# KiCad board ovc5.kicad_pcb (continued)
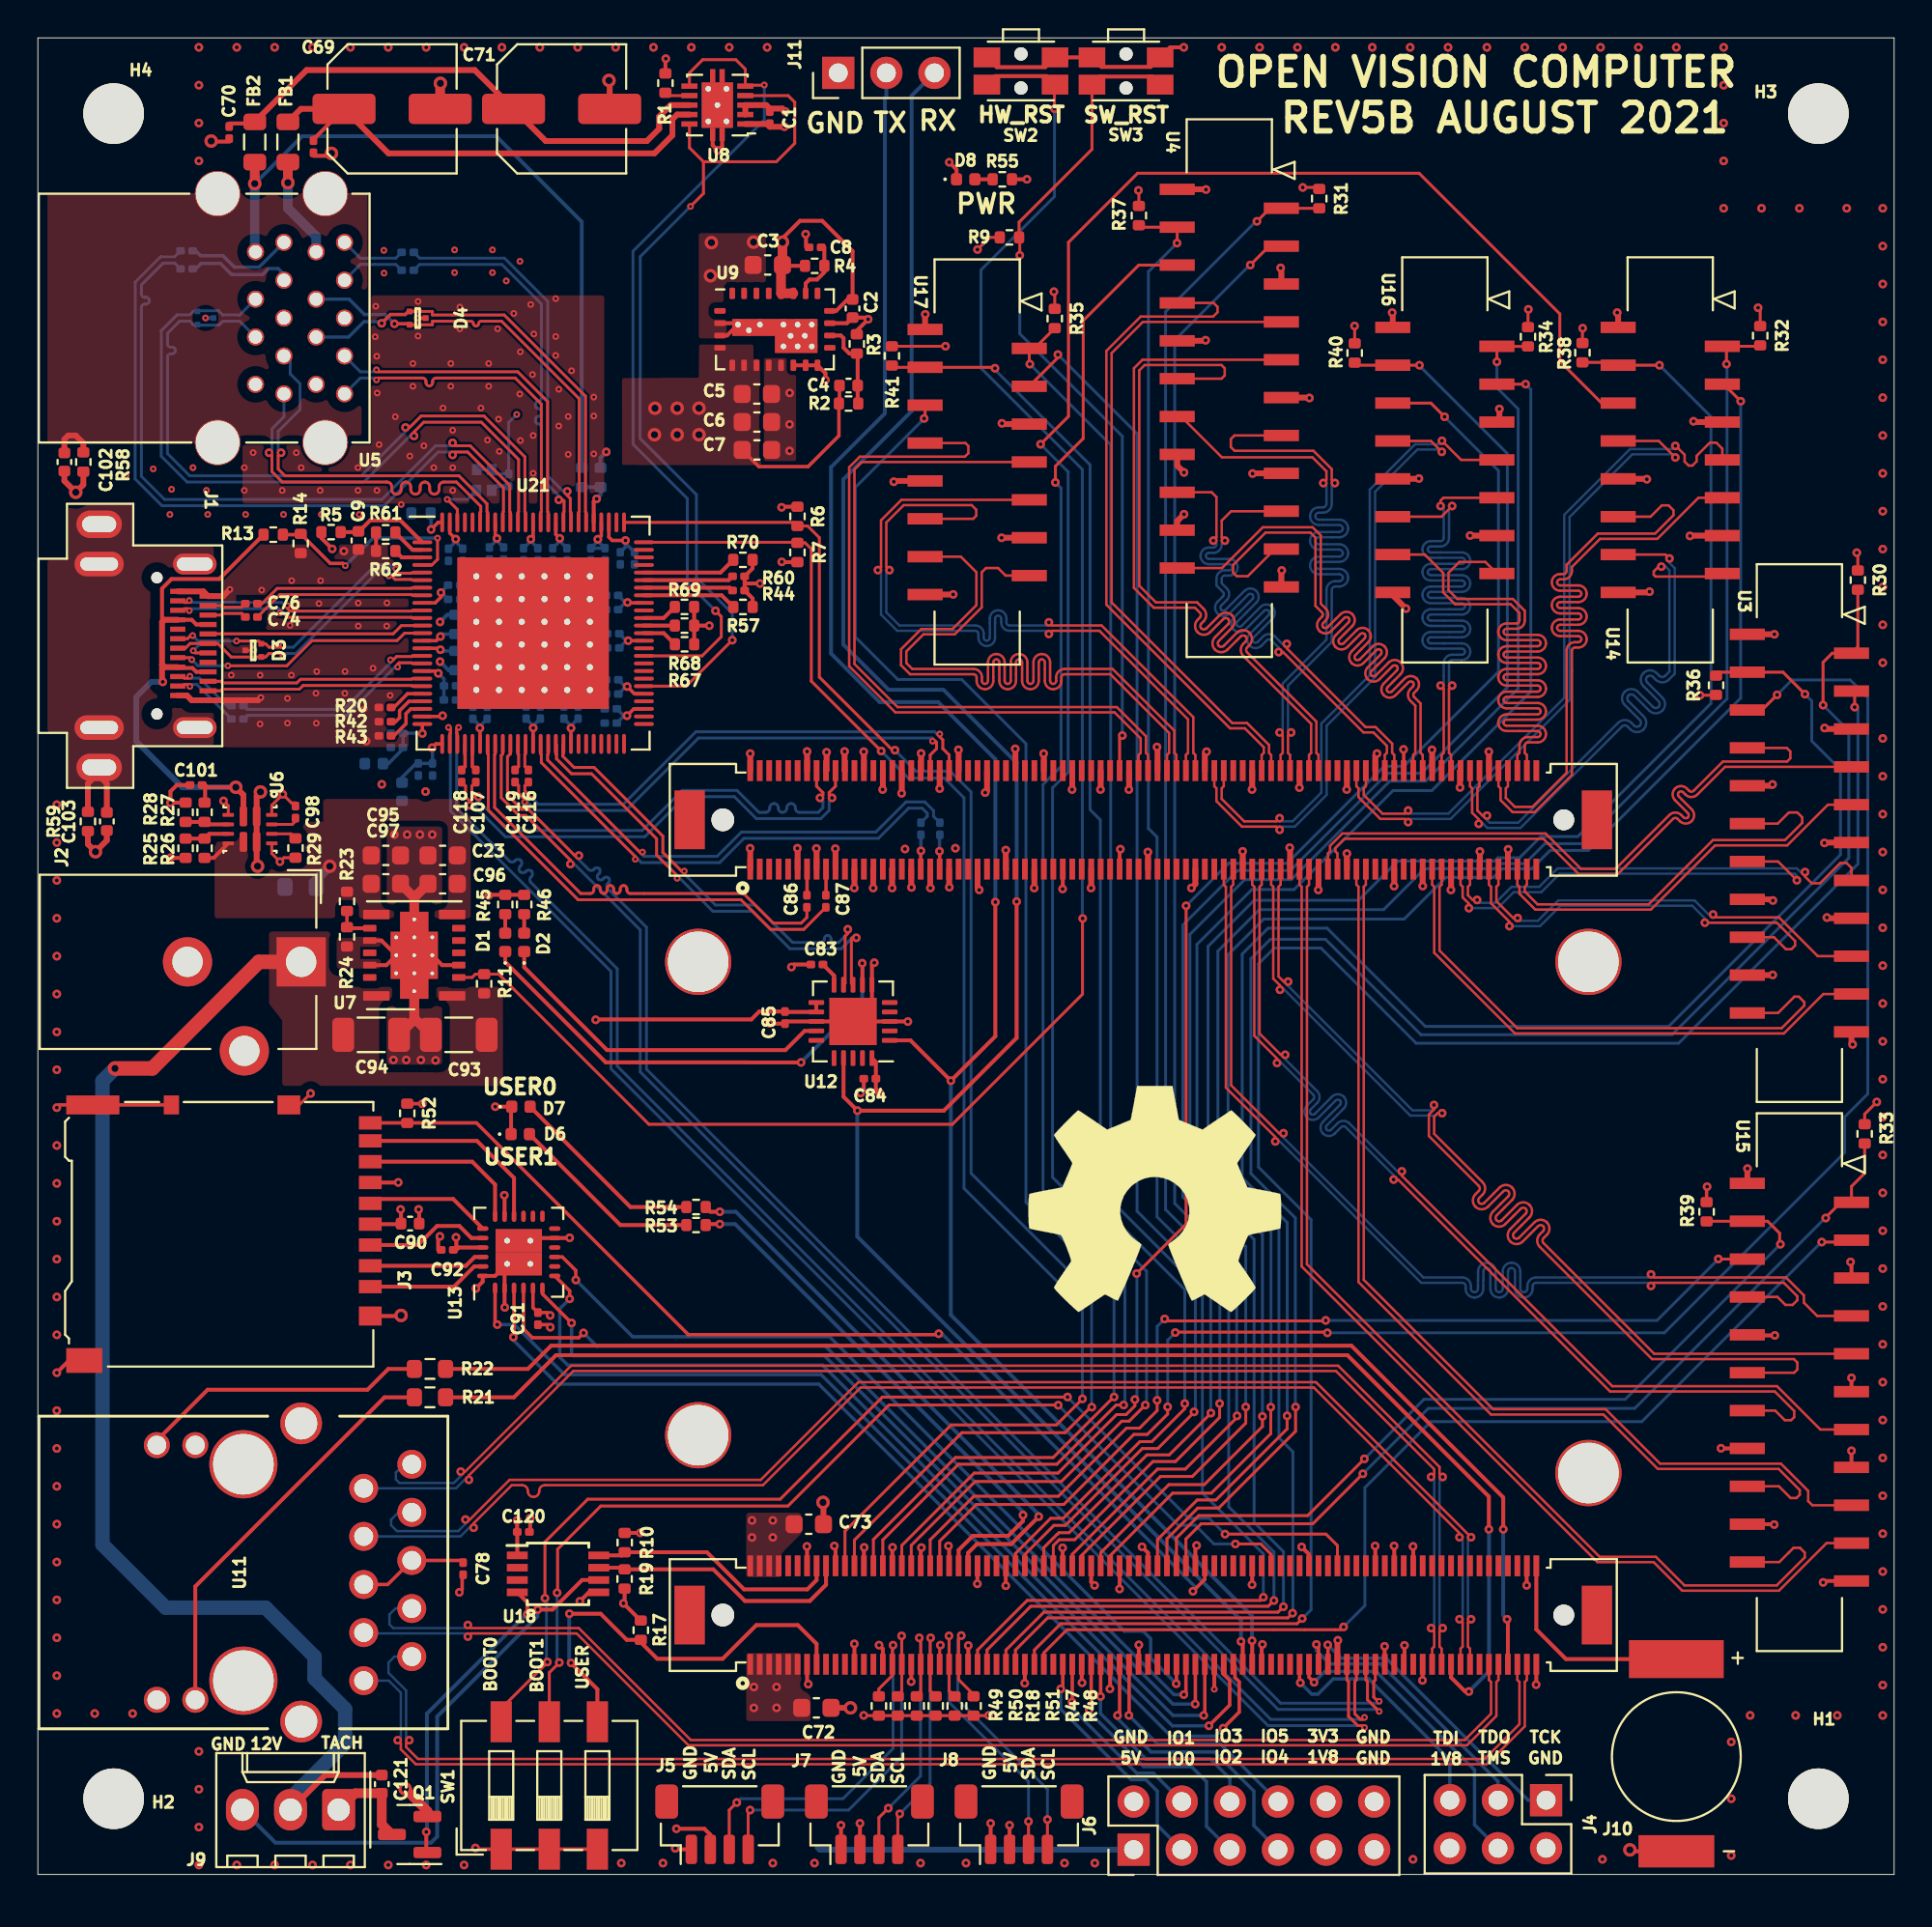
[diagram p0: board, top side]
## Placement (name value [footprint] x y rotation side) (continued)
U13  TXS02612  [TI_RTW0024B]  25.39 32.86 90 top
U14  PICAM_Reversed  [AMPHENOL_SFW15S]  86.18 74.71 270 top
U15  PICAM_Expandable_Reversed  [AMPHENOL_SFW22S]  93 26 270 top
U16  PICAM_Reversed  [AMPHENOL_SFW15S]  74.28 74.71 270 top
U17  PICAM_Reversed  [AMPHENOL_SFW15S]  49.59 74.6 270 top
U18  EMC2101-ACZL-TR  [TSSOP-8_3x3mm_P0.65mm]  27.46 15.88 0 top
U21  USB7216C  [Microchip_USB7216C]  26.15 65.56 0 top
X1  ASCO  [Oscillator_SMD_Abracon_ASCO-4Pin_1.6x1.2mm]  23.56 73.65 180 bottom

## Library data of the parts
C1 C8 C10 C18 C19 C25-C27 C32-C35 C40-C44 C49-C51 C68 C70 C74-C89 C91 C92 C98 C101 C107 C116 C118-C120 = -: D1N: Digikey; D1PN: 1292-1161-1-ND; MFN: Walsin; MPN: 0201X104K160CT
C2 C9 C90 C121 = -: D1N: Digikey; D1PN: 1276-1076-1-ND; MFN: Samsung; MPN: CL05A105KP5NNNC
C3 C5-C7 C23 C72 C73 C95-C97 = -: D1N: Digikey; D1PN: 1276-6504-1-ND; MFN: Samsung; MPN: CL10A226MPCNUBE
C4 = -: D1N: Digikey; D1PN: 587-1947-1-ND; MFN: Taiyo Yuden; MPN: UMK105CG100DV-F
C20 C21 = -: D1N: Digikey; D1PN: 587-3408-1-ND; MFN: Taiyo Yuden; MPN: LMK105BBJ475MVLF
C22 C24 C28-C31 C36-C39 C45-C48 C52-C54 = -: D1N: Digikey; D1PN: 490-16360-1-ND; MFN: Murata Electronics; MPN: GRM033R71E102JA01D
C69 C71 = -: D1N: Digikey; D1PN: PCE4401CT-ND; MFN: TDK; MPN: EEE-FKC151XAP
C93 C94 = -: D1N: Digikey; D1PN: 1276-2876-1-ND; MFN: Samsung; MPN: CL31A106KBHNNNE
C102 C103 = -: D1N: Digikey; D1PN: 1276-1532-1-ND; MFN: Samsung; MPN: CL05B222JB5NNNC
D1 D8 = -: D1N: Digikey; D1PN: 475-3445-1-ND; MFN: OSRAM; MPN: LT VH9G-Q2OO-25-1
D2 D6 = -: D1N: Digikey; D1PN: 475-3112-1-ND; MFN: OSRAM; MPN: LB QH9G-N1OO-35-1
D3-D5 = -: D1N: Digikey; D1PN: 296-25509-1-ND; MFN: TI; MPN: TPD2EUSB30DRTR
D7 = -: D1N: Digikey; D1PN: 475-3429-1-ND; MFN: OSRAM; MPN: LR VH9F-P2R1-1-Z
FB1 FB2 = -: D1N: Digikey; D1PN: MH2029-100YCT-ND; MFN: Bourns
H1-H4 = -: D1N: DNP; D1PN: DNP; MFN: DNP; MPN: DNF
J1 = -: D1N: Digikey; D1PN: 732-9618-1-ND; MFN: Wurth; MPN: 632723300011
J2 = -: D1N: Digikey; D1PN: CP-102AH-ND; MFN: CUI Devices; MPN: PJ-102AH
J3 = -: D1N: RS-Online; D1PN: 828-1884; MFN: Hirose; MPN: DM3AT-SF-PEJM5
J4 = -: D1N: Digikey; D1PN: 1849-PR20203VBDN-ND; MFN: METZ Connect; MPN: PR20203VBDN
J5 J7 J8 = -: D1N: Digikey; D1PN: 455-1790-1-ND; MFN: JST; MPN: BM04B-SRSS-TB(LF)(SN)
J6 LOGO1 U1 = -: D1N: DNP; D1PN: DNP; MFN: DNP; MPN: DNP
J9 = -: D1N: Digikey; D1PN: WM4201-ND; MFN: Molex; MPN: 0022232031
J10 = -: D1N: Digikey; D1PN: 604-1020-1-ND; MFN: Elna; MPN: DSK-3R3H224U-HL
Q1 = -: D1N: Digikey; D1PN: SSM3K2615RLFCT-ND; MFN: Toshiba Semiconductor and Storage; MPN: SSM3K2615R,LF
R1 R4 R9 R11 R25 R27 = -: D1N: Digikey; D1PN: 311-47.0KLRCT-ND; MFN: Yageo; MPN: RC0402FR-0747KL
R2 = -: D1N: Digikey; D1PN: 2019-RK73H1ETTP3483FCT-ND; MFN: KOA Speer; MPN: RK73H1ETTP3483F
R3 = -: D1N: Digikey; D1PN: YAG3129CT-ND; MFN: YAGEO; MPN: RC0402FR-07357KL
R5 R29 = -: D1N: Digikey; D1PN: 311-20.0KLRCT-ND; MFN: Yageo; MPN: RC0402FR-0720KL
R6 R7 R10 R19 = -: D1N: Digikey; D1PN: P17228CT-ND; MFN: Panasonic Electronic Components; MPN: ERJ-PA2F4701X
R8 = -: D1N: Digikey; D1PN: 541-0.0SBCT-ND; MFN: Vishay Dale; MPN: CRCW06030000Z0EAHP
R13 R15 = -: D1N: Digikey; D1PN: 311-2291-1-ND; MFN: Yageo; MPN: RT0402DRE0743KL
R14 R16 = -: D1N: Digikey; D1PN: 311-2296-1-ND; MFN: Yageo; MPN: RT0402DRE0749K9L
R17 R23 R26 R28 R52 R61-R64 R67-R69 = -: D1N: Digikey; D1PN: YAG3436CT-ND; MFN: Yageo; MPN: AC0402FR-0710KL
R18 R24 R30-R41 R47-R51 = -: D1N: Digikey; D1PN: P2.4KDECT-ND; MFN: Panasonic; MPN: ERA-2AED242X
R20 R42-R44 R60 = -: D1N: Digikey; D1PN: YAG5170CT-ND; MFN: Yageo; MPN: AC0201FR-07200KL
R21 R22 = -: D1N: Digikey; D1PN: P110JCT-ND; MFN: Panasonic; MPN: ERJ-2GEJ111X
R45 R46 R53-R55 = -: D1N: Digikey; D1PN: 541-10394-1-ND; MFN: Vishay Dale; MPN: RCS0402220RFKED
R57-R59 R70 = -: D1N: Digikey; D1PN: YAG3515CT-ND; MFN: Yageo; MPN: YAG3515CT-ND
R65 = -: D1N: Digikey; D1PN: YAG3441CT-ND; MFN: Yageo; MPN: AC0402FR-0712KL
SW1 = -: D1N: Digikey; D1PN: 563-CFS-0300TACT-ND; MFN: Nidec Copal Electronics; MPN: CFS-0300TA
SW2 SW3 = -: D1N: Digikey; D1PN: P16765CT-ND; MFN: Panasonic Electronic Components; MPN: EVQ-P7C01P
U3 U4 U15 = -: D1N: Digikey; D1PN: 609-1158-1-ND; MFN: Amphenol; MPN: SFW22S-2STE1LF
U5 = -: D1N: Digikey; D1PN: WM10420-ND; MFN: Molex; MPN: 0484060003
U6 = -: D1N: Digikey; D1PN: 296-53410-1-ND; MFN: TI; MPN: TPS2121RUXR
U7 = -: D1N: Digikey; D1PN: 296-TPSM53604RDARCT-ND; MFN: TI; MPN: TPSM53604RDAR
U8 = -: D1N: Digikey; D1PN: 296-37670-1-ND; MFN: TI; MPN: TPS2561DRCR
U9 = -: D1N: Digikey; D1PN: 544-2854-1-ND; MFN: Intel
U11 = -: D1N: Digikey; D1PN: ARJ11C-MBSAS-A-BA-7MU2-ND; MFN: Abracon
U12 = -: D1N: RS; D1PN: 7570045P; MFN: FTDI Chip; MPN: FT231XQ-R
U13 = -: D1N: Digikey; D1PN: 296-23869-1-ND; MFN: TI; MPN: TXS02612RTWR
U14 U16 U17 = -: D1N: Digikey; D1PN: 609-1148-1-ND; MFN: Amphenol; MPN: SFW15S-2STE1LF
U18 = -: D1N: Digikey; D1PN: EMC2101-ACZL-CT-ND; MFN: Microchip Technology
U21 = -: D1N: Digikey; D1PN: 150-USB7216C/KDX-ND; MFN: Microchip Technology; MPN: USB7216C/KDX
X1 = -: D1N: Digikey; D1PN: 535-12075-1-ND; MFN: Abracon LLC; MPN: ASCO-25.000MHZ-EK-T3

## Footprints (pads in the part's own frame, mm; a bottom-side part is the same pattern mirrored in y, then rotated)
Amphenol_12402056E512A
  round 0.6 hole 0.6 unplated: (-3.6,3.05) (3.6,3.05)
  rect 0.27x0.9 smd: A1(-2.625,5.75) A2(-2.125,5.75) A3(-1.625,5.75) A4(-1.125,5.75) A5(-0.625,5.75) A6(-0.125,5.75) A7(0.375,5.75) A8(0.875,5.75) A9(1.375,5.75) A10(1.875,5.75) A11(2.375,5.75) A12(2.875,5.75)
  rect 0.27x0.8 smd: B1(2.625,4.15) B2(2.125,4.15) B3(1.625,4.15) B4(1.125,4.15) B5(0.625,4.15) B6(0.125,4.15) B7(-0.375,4.15) B8(-0.875,4.15) B9(-1.375,4.15) B10(-1.875,4.15) B11(-2.375,4.15) B12(-2.875,4.15)
  oval 1.45x2.4 hole 0.85x1.8: S1(-6.42,0) S1(6.42,0)
  oval 1.1x2.3 hole 0.7x1.9: S1(-4.32,5.05) S1(4.32,5.05)
  oval 1.3x2.6 hole 0.7x2: S1(-4.32,0) S1(4.32,0)
AMPHENOL_SFW15S
  rect 0.6x1.85 smd: 1(-7,-2.75) 2(-6,2.75) 3(-5,-2.75) 4(-4,2.75) 5(-3,-2.75) 6(-2,2.75) 7(-1,-2.75) 8(0,2.75) 9(1,-2.75) 10(2,2.75) 11(3,-2.75) 12(4,2.75) 13(5,-2.75) 14(6,2.75) 15(7,-2.75)
AMPHENOL_SFW22S
  rect 0.6x1.85 smd: 1(-10.5,-2.75) 2(-9.5,2.75) 3(-8.5,-2.75) 4(-7.5,2.75) 5(-6.5,-2.75) 6(-5.5,2.75) 7(-4.5,-2.75) 8(-3.5,2.75) 9(-2.5,-2.75) 10(-1.5,2.75) 11(-0.5,-2.75) 12(0.5,2.75) 13(1.5,-2.75) 14(2.5,2.75) 15(3.5,-2.75) 16(4.5,2.75) 17(5.5,-2.75) 18(6.5,2.75) 19(7.5,-2.75) 20(8.5,2.75) 21(9.5,-2.75) 22(10.5,2.75)
ARJ11C-MBSAS-A-BA-7MU2
  round 1.524 hole 1: 1(5.715,6.35) 2(4.445,8.89) 3(3.175,6.35) 4(1.905,8.89) 5(0.635,6.35) 6(-0.635,8.89) 7(-1.905,6.35) 8(-3.175,8.89) 9(-4.445,6.35) 10(-5.715,8.89)
  round 1.372 hole 1: 11(6.725,-2.54) 12(6.725,-4.57) 13(-6.725,-2.54) 14(-6.725,-4.57)
  round 3.6 hole 3.2: MNT(-5.715,0) MNT(5.715,0)
  round 2.2 hole 1.7: SHLD(-7.875,3.05) SHLD(7.875,3.05)
BarrelJack_CUI_PJ-102AH_Horizontal
  rect 2.6x2.6 hole 1.6: 1(0,0)
  round 2.6 hole 1.6: 2(0,-6) 3(4.7,-3)
C_0201_0603Metric
  rrect 0.318x0.36 smd: (-0.345,0) (0.345,0)
  rrect 0.46x0.4 smd: 1(-0.32,0) 2(0.32,0)
C_0402_1005Metric
  rrect 0.56x0.62 smd: 1(-0.48,0) 2(0.48,0)
C_0603_1608Metric
  rrect 0.9x0.95 smd: 1(-0.775,0) 2(0.775,0)
C_1206_3216Metric
  rrect 1.15x1.8 smd: 1(-1.475,0) 2(1.475,0)
C_Elec_6.3x7.7
  rrect 3.325x1.6 smd: 1(-2.538,0) 2(2.538,0)
Converter_DCDC_Intel_QFN-24_4x6mm_P0.65mm_ThermalVias
  rect 1.9x0.9 smd: (-1.3,0.1)
  rect 0.9x0.57 smd: (-1.2,0.1)
  rect 0.7x0.9 smd: (0.65,-0.35) (1.65,-0.35)
  rect 2.25x1.8 smd: (1.125,-0.35)
  rrect 0.6x0.3 smd: 1(-2.9,0.975) 2(-2.9,0.325) 3(-2.9,-0.325) 4(-2.9,-0.975) 13(2.9,-0.975) 14(2.9,-0.325) 15(2.9,0.325) 16(2.9,0.975)
  rrect 0.3x0.6 smd: 5(-2.25,-1.9) 6(-1.625,-1.9) 7(-0.975,-1.9) 8(-0.325,-1.9) 9(0.325,-1.9) 10(0.975,-1.9) 11(1.625,-1.9) 12(2.25,-1.9) 17(2.25,1.9) 18(1.625,1.9) 19(0.975,1.9) 20(0.325,1.9) 21(-0.325,1.9) 22(-0.975,1.9) 23(-1.625,1.9) 24(-2.25,1.9)
  round 0.6 hole 0.3: 25(-1.95,0.25) 25(-1.37,-0.05) 25(-0.79,0.25) 25(0.45,0.25) 25(0.45,-0.9) 25(0.83,-0.34) 25(1.2,0.25) 25(1.2,-0.9) 25(1.58,-0.34) 25(1.95,0.25) 25(1.95,-0.9)
  custom 4.5x1.8 smd: 25(1.125,-0.35)
ELNA_DSK-3R3H224U-HL
  rect 4x1.7 smd: 1(0,-5)
  rect 5x2 smd: 2(0,5.15)
JST_SH_BM04B-SRSS-TB_1x04-1MP_P1.00mm_Vertical
  rrect 0.6x1.55 smd: 1(-1.5,-1.325) 2(-0.5,-1.325) 3(0.5,-1.325) 4(1.5,-1.325)
  rrect 1.2x1.8 smd: MP(-2.8,1.2) MP(2.8,1.2)
L_0805_2012Metric
  rrect 0.875x1.2 smd: 1(-1.062,0) 2(1.062,0)
LED_0402_1005Metric
  rrect 0.59x0.64 smd: 1(-0.485,0) 2(0.485,0)
Mercury_XU5
  round 1.1 hole 1.1 unplated: (-22.2,21) (-22.2,-21)
  round 1.2 hole 1.2 unplated: (22.2,21) (22.2,-21)
  rect 0.3x1.1 smd: A1(20.75,23.6) A2(20.75,18.4) A3(20.25,23.6) A4(20.25,18.4) A5(19.75,23.6) A6(19.75,18.4) A7(19.25,23.6) A8(19.25,18.4) A9(18.75,23.6) A10(18.75,18.4) A11(18.25,23.6) A12(18.25,18.4) A13(17.75,23.6) A14(17.75,18.4) A15(17.25,23.6) A16(17.25,18.4) A17(16.75,23.6) A18(16.75,18.4) A19(16.25,23.6) A20(16.25,18.4) A21(15.75,23.6) A22(15.75,18.4) A23(15.25,23.6) A24(15.25,18.4) A25(14.75,23.6) A26(14.75,18.4) A27(14.25,23.6) A28(14.25,18.4) A29(13.75,23.6) A30(13.75,18.4) A31(13.25,23.6) A32(13.25,18.4) A33(12.75,23.6) A34(12.75,18.4) A35(12.25,23.6) A36(12.25,18.4) A37(11.75,23.6) A38(11.75,18.4) A39(11.25,23.6) A40(11.25,18.4) A41(10.75,23.6) A42(10.75,18.4) A43(10.25,23.6) A44(10.25,18.4) A45(9.75,23.6) A46(9.75,18.4) A47(9.25,23.6) A48(9.25,18.4) A49(8.75,23.6) A50(8.75,18.4) A51(8.25,23.6) A52(8.25,18.4) A53(7.75,23.6) A54(7.75,18.4) A55(7.25,23.6) A56(7.25,18.4) A57(6.75,23.6) A58(6.75,18.4) A59(6.25,23.6) A60(6.25,18.4) A61(5.75,23.6) A62(5.75,18.4) A63(5.25,23.6) A64(5.25,18.4) A65(4.75,23.6) A66(4.75,18.4) A67(4.25,23.6) A68(4.25,18.4) A69(3.75,23.6) A70(3.75,18.4) A71(3.25,23.6) A72(3.25,18.4) A73(2.75,23.6) A74(2.75,18.4) A75(2.25,23.6) A76(2.25,18.4) A77(1.75,23.6) A78(1.75,18.4) A79(1.25,23.6) A80(1.25,18.4) A81(0.75,23.6) A82(0.75,18.4) A83(0.25,23.6) A84(0.25,18.4) A85(-0.25,23.6) A86(-0.25,18.4) A87(-0.75,23.6) A88(-0.75,18.4) A89(-1.25,23.6) A90(-1.25,18.4) A91(-1.75,23.6) A92(-1.75,18.4) A93(-2.25,23.6) A94(-2.25,18.4) A95(-2.75,23.6) A96(-2.75,18.4) A97(-3.25,23.6) A98(-3.25,18.4) A99(-3.75,23.6) A100(-3.75,18.4) A101(-4.25,23.6) A102(-4.25,18.4) A103(-4.75,23.6) A104(-4.75,18.4) A105(-5.25,23.6) A106(-5.25,18.4) A107(-5.75,23.6) A108(-5.75,18.4) A109(-6.25,23.6) A110(-6.25,18.4) A111(-6.75,23.6) A112(-6.75,18.4) A113(-7.25,23.6) A114(-7.25,18.4) A115(-7.75,23.6) A116(-7.75,18.4) A117(-8.25,23.6) A118(-8.25,18.4) A119(-8.75,23.6) A120(-8.75,18.4) A121(-9.25,23.6) A122(-9.25,18.4) A123(-9.75,23.6) A124(-9.75,18.4) A125(-10.25,23.6) A126(-10.25,18.4) A127(-10.75,23.6) A128(-10.75,18.4) A129(-11.25,23.6) A130(-11.25,18.4) A131(-11.75,23.6) A132(-11.75,18.4) A133(-12.25,23.6) A134(-12.25,18.4) A135(-12.75,23.6) A136(-12.75,18.4) A137(-13.25,23.6) A138(-13.25,18.4) A139(-13.75,23.6) A140(-13.75,18.4) A141(-14.25,23.6) A142(-14.25,18.4) A143(-14.75,23.6) A144(-14.75,18.4) A145(-15.25,23.6) A146(-15.25,18.4) A147(-15.75,23.6) A148(-15.75,18.4) A149(-16.25,23.6) A150(-16.25,18.4) A151(-16.75,23.6) A152(-16.75,18.4) A153(-17.25,23.6) A154(-17.25,18.4) A155(-17.75,23.6) A156(-17.75,18.4) A157(-18.25,23.6) A158(-18.25,18.4) A159(-18.75,23.6) A160(-18.75,18.4) A161(-19.25,23.6) A162(-19.25,18.4) A163(-19.75,23.6) A164(-19.75,18.4) A165(-20.25,23.6) A166(-20.25,18.4) A167(-20.75,23.6) A168(-20.75,18.4) B1(20.75,-18.4) B2(20.75,-23.6) B3(20.25,-18.4) B4(20.25,-23.6) B5(19.75,-18.4) B6(19.75,-23.6) B7(19.25,-18.4) B8(19.25,-23.6) B9(18.75,-18.4) B10(18.75,-23.6) B11(18.25,-18.4) B12(18.25,-23.6) B13(17.75,-18.4) B14(17.75,-23.6) B15(17.25,-18.4) B16(17.25,-23.6) B17(16.75,-18.4) B18(16.75,-23.6) B19(16.25,-18.4) B20(16.25,-23.6) B21(15.75,-18.4) B22(15.75,-23.6) B23(15.25,-18.4) B24(15.25,-23.6) B25(14.75,-18.4) B26(14.75,-23.6) B27(14.25,-18.4) B28(14.25,-23.6) B29(13.75,-18.4) B30(13.75,-23.6) B31(13.25,-18.4) B32(13.25,-23.6) B33(12.75,-18.4) B34(12.75,-23.6) B35(12.25,-18.4) B36(12.25,-23.6) B37(11.75,-18.4) B38(11.75,-23.6) B39(11.25,-18.4) B40(11.25,-23.6) B41(10.75,-18.4) B42(10.75,-23.6) B43(10.25,-18.4) B44(10.25,-23.6) B45(9.75,-18.4) B46(9.75,-23.6) B47(9.25,-18.4) B48(9.25,-23.6) B49(8.75,-18.4) B50(8.75,-23.6) B51(8.25,-18.4) B52(8.25,-23.6) B53(7.75,-18.4) B54(7.75,-23.6) B55(7.25,-18.4) B56(7.25,-23.6) B57(6.75,-18.4) B58(6.75,-23.6) B59(6.25,-18.4) B60(6.25,-23.6) B61(5.75,-18.4) B62(5.75,-23.6) B63(5.25,-18.4) B64(5.25,-23.6) B65(4.75,-18.4) B66(4.75,-23.6) B67(4.25,-18.4) B68(4.25,-23.6) B69(3.75,-18.4) B70(3.75,-23.6) B71(3.25,-18.4) B72(3.25,-23.6) B73(2.75,-18.4) B74(2.75,-23.6) B75(2.25,-18.4) B76(2.25,-23.6) B77(1.75,-18.4) B78(1.75,-23.6) B79(1.25,-18.4) B80(1.25,-23.6) B81(0.75,-18.4) B82(0.75,-23.6) B83(0.25,-18.4) B84(0.25,-23.6) B85(-0.25,-18.4) B86(-0.25,-23.6) B87(-0.75,-18.4) B88(-0.75,-23.6) B89(-1.25,-18.4) B90(-1.25,-23.6) B91(-1.75,-18.4) B92(-1.75,-23.6) B93(-2.25,-18.4) B94(-2.25,-23.6) B95(-2.75,-18.4) B96(-2.75,-23.6) B97(-3.25,-18.4) B98(-3.25,-23.6) B99(-3.75,-18.4) B100(-3.75,-23.6) B101(-4.25,-18.4) B102(-4.25,-23.6) B103(-4.75,-18.4) B104(-4.75,-23.6) B105(-5.25,-18.4) B106(-5.25,-23.6) B107(-5.75,-18.4) B108(-5.75,-23.6) B109(-6.25,-18.4) B110(-6.25,-23.6) B111(-6.75,-18.4) B112(-6.75,-23.6) B113(-7.25,-18.4) B114(-7.25,-23.6) B115(-7.75,-18.4) B116(-7.75,-23.6) B117(-8.25,-18.4) B118(-8.25,-23.6) B119(-8.75,-18.4) B120(-8.75,-23.6) B121(-9.25,-18.4) B122(-9.25,-23.6) B123(-9.75,-18.4) B124(-9.75,-23.6) B125(-10.25,-18.4) B126(-10.25,-23.6) B127(-10.75,-18.4) B128(-10.75,-23.6) B129(-11.25,-18.4) B130(-11.25,-23.6) B131(-11.75,-18.4) B132(-11.75,-23.6) B133(-12.25,-18.4) B134(-12.25,-23.6) B135(-12.75,-18.4) B136(-12.75,-23.6) B137(-13.25,-18.4) B138(-13.25,-23.6) B139(-13.75,-18.4) B140(-13.75,-23.6) B141(-14.25,-18.4) B142(-14.25,-23.6) B143(-14.75,-18.4) B144(-14.75,-23.6) B145(-15.25,-18.4) B146(-15.25,-23.6) B147(-15.75,-18.4) B148(-15.75,-23.6) B149(-16.25,-18.4) B150(-16.25,-23.6) B151(-16.75,-18.4) B152(-16.75,-23.6) B153(-17.25,-18.4) B154(-17.25,-23.6) B155(-17.75,-18.4) B156(-17.75,-23.6) B157(-18.25,-18.4) B158(-18.25,-23.6) B159(-18.75,-18.4) B160(-18.75,-23.6) B161(-19.25,-18.4) B162(-19.25,-23.6) B163(-19.75,-18.4) B164(-19.75,-23.6) B165(-20.25,-18.4) B166(-20.25,-23.6) B167(-20.75,-18.4) B168(-20.75,-23.6)
  rect 1.6x3.1 smd: AM1(23.95,21) AM2(-23.95,21) BM1(23.95,-21) BM2(-23.95,-21)
  round 3.5 hole 3.2: H1(-23.5,-13.5) H2(23.5,-13.5) H3(-23.5,13.5) H4(23.5,11.5)
Microchip_USB7216C
  oval 1.05x0.2 smd: 1(-5.85,4.8) 2(-5.85,4.4) 3(-5.85,4) 4(-5.85,3.6) 5(-5.85,3.2) 6(-5.85,2.8) 7(-5.85,2.4) 8(-5.85,2) 9(-5.85,1.6) 10(-5.85,1.2) 11(-5.85,0.8) 12(-5.85,0.4) 13(-5.85,0) 14(-5.85,-0.4) 15(-5.85,-0.8) 16(-5.85,-1.2) 17(-5.85,-1.6) 18(-5.85,-2) 19(-5.85,-2.4) 20(-5.85,-2.8) 21(-5.85,-3.2) 22(-5.85,-3.6) 23(-5.85,-4) 24(-5.85,-4.4) 25(-5.85,-4.8) 51(5.85,-4.8) 52(5.85,-4.4) 53(5.85,-4) 54(5.85,-3.6) 55(5.85,-3.2) 56(5.85,-2.8) 57(5.85,-2.4) 58(5.85,-2) 59(5.85,-1.6) 60(5.85,-1.2) 61(5.85,-0.8) 62(5.85,-0.4) 63(5.85,0) 64(5.85,0.4) 65(5.85,0.8) 66(5.85,1.2) 67(5.85,1.6) 68(5.85,2) 69(5.85,2.4) 70(5.85,2.8) 71(5.85,3.2) 72(5.85,3.6) 73(5.85,4) 74(5.85,4.4) 75(5.85,4.8)
  oval 0.2x1.05 smd: 26(-4.8,-5.85) 27(-4.4,-5.85) 28(-4,-5.85) 29(-3.6,-5.85) 30(-3.2,-5.85) 31(-2.8,-5.85) 32(-2.4,-5.85) 33(-2,-5.85) 34(-1.6,-5.85) 35(-1.2,-5.85) 36(-0.8,-5.85) 37(-0.4,-5.85) 38(0,-5.85) 39(0.4,-5.85) 40(0.8,-5.85) 41(1.2,-5.85) 42(1.6,-5.85) 43(2,-5.85) 44(2.4,-5.85) 45(2.8,-5.85) 46(3.2,-5.85) 47(3.6,-5.85) 48(4,-5.85) 49(4.4,-5.85) 50(4.8,-5.85) 76(4.8,5.85) 77(4.4,5.85) 78(4,5.85) 79(3.6,5.85) 80(3.2,5.85) 81(2.8,5.85) 82(2.4,5.85) 83(2,5.85) 84(1.6,5.85) 85(1.2,5.85) 86(0.8,5.85) 87(0.4,5.85) 88(0,5.85) 89(-0.4,5.85) 90(-0.8,5.85) 91(-1.2,5.85) 92(-1.6,5.85) 93(-2,5.85) 94(-2.4,5.85) 95(-2.8,5.85) 96(-3.2,5.85) 97(-3.6,5.85) 98(-4,5.85) 99(-4.4,5.85) 100(-4.8,5.85)
  round 0.675 hole 0.33: 101(-3,3) 101(-3,1.8) 101(-3,0.6) 101(-3,-0.6) 101(-3,-1.8) 101(-3,-3) 101(-1.8,3) 101(-1.8,1.8) 101(-1.8,0.6) 101(-1.8,-0.6) 101(-1.8,-1.8) 101(-1.8,-3) 101(-0.6,3) 101(-0.6,1.8) 101(-0.6,0.6) 101(-0.6,-0.6) 101(-0.6,-1.8) 101(-0.6,-3) 101(0.6,3) 101(0.6,1.8) 101(0.6,0.6) 101(0.6,-0.6) 101(0.6,-1.8) 101(0.6,-3) 101(1.8,3) 101(1.8,1.8) 101(1.8,0.6) 101(1.8,-0.6) 101(1.8,-1.8) 101(1.8,-3) 101(3,3) 101(3,1.8) 101(3,0.6) 101(3,-0.6) 101(3,-1.8) 101(3,-3)
  rect 8x8 smd: 101(0,0)
microSD_HC_Hirose_DM3AT-SF-PEJM5
  rect 0.7x1.2 smd: 1(2.775,7.725) 2(1.675,7.725) 3(0.575,7.725) 4(-0.525,7.725) 5(-1.625,7.725) 6(-2.725,7.725) 7(-3.825,7.725) 8(-4.925,7.725) 9(-5.875,7.725)
  rect 1x0.8 smd: 10(-6.825,-2.775)
  rect 1x1.2 smd: 11(-6.825,3.425) 11(4.325,7.725)
  rect 1x2.8 smd: 11(-6.825,-6.925)
  rect 1.3x1.9 smd: 11(6.675,-7.375)
Molex_KK-254_AE-6410-03A_1x03_P2.54mm_Vertical
  rrect 1.74x2.19 hole 1.19: 1(0,0)
  oval 1.74x2.19 hole 1.19: 2(2.54,0) 3(5.08,0)
MountingHole_3.2mm_M3
  round 3.2 hole 3.2 unplated: (0,0)
Oscillator_SMD_Abracon_ASCO-4Pin_1.6x1.2mm
  rect 0.5x0.6 smd: 1(-0.4,0.55) 2(-0.4,-0.55) 3(0.4,-0.55) 4(0.4,0.55)
PinHeader_1x03_P2.54mm_Vertical
  rect 1.7x1.7 hole 1: 1(0,0)
  oval 1.7x1.7 hole 1: 2(0,-2.54) 3(0,-5.08)
PinHeader_2x03_P2.54mm_Vertical
  rect 1.7x1.7 hole 1: 1(0,0)
  oval 1.7x1.7 hole 1: 2(2.54,0) 3(0,-2.54) 4(2.54,-2.54) 5(0,-5.08) 6(2.54,-5.08)
PinHeader_2x06_P2.54mm_Vertical
  rect 1.7x1.7 hole 1: 1(0,0)
  oval 1.7x1.7 hole 1: 2(2.54,0) 3(0,-2.54) 4(2.54,-2.54) 5(0,-5.08) 6(2.54,-5.08) 7(0,-7.62) 8(2.54,-7.62) 9(0,-10.16) 10(2.54,-10.16) 11(0,-12.7) 12(2.54,-12.7)
QFN-20-1EP_4x4mm_P0.5mm_EP2.5x2.5mm
  rrect 1.01x1.01 smd: (-0.625,0.625) (-0.625,-0.625) (0.625,0.625) (0.625,-0.625)
  rrect 0.825x0.25 smd: 1(-1.938,1) 2(-1.938,0.5) 3(-1.938,0) 4(-1.938,-0.5) 5(-1.938,-1) 11(1.938,-1) 12(1.938,-0.5) 13(1.938,0) 14(1.938,0.5) 15(1.938,1)
  rrect 0.25x0.825 smd: 6(-1,-1.938) 7(-0.5,-1.938) 8(0,-1.938) 9(0.5,-1.938) 10(1,-1.938) 16(1,1.938) 17(0.5,1.938) 18(0,1.938) 19(-0.5,1.938) 20(-1,1.938)
  rect 2.5x2.5 smd: 21(0,0)
R_0201_0603Metric
  rrect 0.318x0.36 smd: (-0.345,0) (0.345,0)
  rrect 0.46x0.4 smd: 1(-0.32,0) 2(0.32,0)
R_0402_1005Metric
  rrect 0.54x0.64 smd: 1(-0.51,0) 2(0.51,0)
R_0603_1608Metric
  rrect 0.8x0.95 smd: 1(-0.825,0) 2(0.825,0)
SOT-23
  rrect 1.475x0.6 smd: 1(-0.938,0.95) 2(-0.938,-0.95) 3(0.938,0)
SW_DIP_SPSTx03_Slide_6.7x9.18mm_W6.73mm_P2.54mm_LowProfile_JPin
  rect 2.16x1.12 smd: 1(-3.365,2.54) 2(-3.365,0) 3(-3.365,-2.54) 4(3.365,-2.54) 5(3.365,0) 6(3.365,2.54)
SW_SPST_EVQP7C
  round 0.7 hole 0.7 unplated: (0,0.9) (0,-0.9)
  rect 1.4x1.05 smd: 1(-1.8,0.72) 1(1.8,0.72) 2(-1.8,-0.72) 2(1.8,-0.72)
Texas_B3QFN-14-1EP_5x5.5mm_P0.65mm_ThermalVia
  rrect 0.95x0.65 smd: (-0.625,0.475) (-0.625,-0.475) (0.625,0.475) (0.625,-0.475)
  rrect 0.6x1.15 smd: (-0.425,1.675) (-0.425,-1.675) (0.425,1.675) (0.425,-1.675)
  rrect 1.4x0.5 smd: 1(-2,2.145) 7(-2,-2.155) 8(2,-2.155) 14(2,2.145)
  rrect 0.7x0.35 smd: 2(-2.35,1.17) 3(-2.35,0.52) 4(-2.35,-0.13) 5(-2.35,-0.78) 6(-2.35,-1.43) 9(2.35,-1.43) 10(2.35,-0.78) 11(2.35,-0.13) 12(2.35,0.52) 13(2.35,1.17)
  round 0.5 hole 0.2: 15(-0.95,0.95) 15(-0.95,0) 15(-0.95,-0.95) 15(0,1.9) 15(0,0.95) 15(0,0) 15(0,-0.95) 15(0,-1.9) 15(0.95,0.95) 15(0.95,0) 15(0.95,-0.95)
  custom 2.5x4.6 smd: 15(0,0)
Texas_VQFN-HR-12_2x2.5_Pitch0.5mm
  rrect 1.05x0.4 smd: 1(-0.675,0.35) 2(-0.675,-0.35) 7(0.675,-0.35) 8(0.675,0.35)
  rrect 0.2x0.6 smd: 3(-0.75,-1.15) 4(-0.25,-1.15) 5(0.25,-1.15) 6(0.75,-1.15) 9(0.75,1.15) 10(0.25,1.15) 11(-0.25,1.15) 12(-0.75,1.15)
TI_RTW0024B
  oval 0.6x0.24 smd: 1(-1.9,1.25) 2(-1.9,0.75) 3(-1.9,0.25) 4(-1.9,-0.25) 5(-1.9,-0.75) 6(-1.9,-1.25) 13(1.9,-1.25) 14(1.9,-0.75) 15(1.9,-0.25) 16(1.9,0.25) 17(1.9,0.75) 18(1.9,1.25)
  oval 0.24x0.6 smd: 7(-1.25,-1.9) 8(-0.75,-1.9) 9(-0.25,-1.9) 10(0.25,-1.9) 11(0.75,-1.9) 12(1.25,-1.9) 19(1.25,1.9) 20(0.75,1.9) 21(0.25,1.9) 22(-0.25,1.9) 23(-0.75,1.9) 24(-1.25,1.9)
  round 0.613 hole 0.306: 25(-0.613,0.613) 25(-0.613,-0.613) 25(0.613,0.613) 25(0.613,-0.613)
  rect 1.225x1.225 smd: 25(-0.613,0.613) 25(-0.613,-0.613) 25(0.613,0.613) 25(0.613,-0.613)
TPD2EUSB30x
  rect 0.3x0.3 smd: 1(-0.35,-0.425) 2(0.35,-0.425) 3(0,0.425)
TSSOP-8_3x3mm_P0.65mm
  rect 1.1x0.4 smd: 1(-2.15,0.975) 2(-2.15,0.325) 3(-2.15,-0.325) 4(-2.15,-0.975) 5(2.15,-0.975) 6(2.15,-0.325) 7(2.15,0.325) 8(2.15,0.975)
USB3_A_Dual_Stacked
  round 0.9 hole 0.7: 1(1.29,3.5) 2(1.29,1) 3(1.29,-1) 4(1.29,-3.5) 5(2.79,-4) 6(2.79,-2) 7(2.79,0) 8(2.79,2) 9(2.79,4) 10(4.49,3.5) 11(4.49,1) 12(4.49,-1) 13(4.49,-3.5) 14(5.99,-4) 15(5.99,-2) 16(5.99,0) 17(5.99,2) 18(5.99,4)
  round 2.4 hole 2.3: S(-0.71,6.57) S(-0.71,-6.57) S(4.97,6.57) S(4.97,-6.57)
VSON-10-1EP_3x3mm_P0.5mm_EP1.65x2.4mm_ThermalVias
  rect 0.64x0.64 smd: (-0.48,0.86) (-0.48,0) (-0.48,-0.86) (0.48,0.86) (0.48,0) (0.48,-0.86)
  rect 0.85x0.28 smd: 1(-1.475,1) 2(-1.475,0.5) 3(-1.475,0) 4(-1.475,-0.5) 5(-1.475,-1) 6(1.475,-1) 7(1.475,-0.5) 8(1.475,0) 9(1.475,0.5) 10(1.475,1)
  round 0.6 hole 0.3: 11(-0.48,0.86) 11(-0.48,-0.86) 11(0,0) 11(0.48,0.86) 11(0.48,-0.86)
  rect 0.28x0.7 smd: 11(-0.25,1.55) 11(-0.25,-1.55) 11(0.25,1.55) 11(0.25,-1.55)
  rect 1.65x2.4 smd: 11(0,0)
  rect 1.65x2.4 smd far side: 11(0,0)

## Nets
+1V2: C4.1 C5.1 C6.1 C7.1 C18.1 C20.1 C22.1 C25.1 C28.1 C29.1 C32.1 C33.1 C36.1 C37.1 C40.1 C41.1 C42.1 C45.1 C46.1 C49.1 C50.1 C52.1 C53.1 R2.1 R9.1 U1.B64 U1.B67 U1.B88 U1.B95 U1.B140 U1.B143 U9.4 U9.5 U9.6 U9.7 U21.9 U21.18 U21.25 U21.31 U21.38 U21.55 U21.78 U21.85 U21.93
+1V8: C84.2 C91.2 J4.6 J6.9 R30.1 R31.1 R32.1 R33.1 R34.1 R35.1 R36.1 R37.1 R38.1 R39.1 R40.1 R41.1 R52.1 U1.A41 U1.A74 U1.A77 U1.B52 U1.B76 U1.B108 U1.B128 U12.20 U13.5
+3V3: C2.1 C3.1 C10.2 C19.1 C21.1 C24.1 C26.1 C27.1 C30.1 C31.1 C34.1 C35.1 C38.1 C39.1 C43.1 C44.1 C47.1 C48.1 C51.1 C54.1 C90.2 C92.1 C120.2 J3.4 J5.2 J6.10 J7.2 J8.2 R4.1 R5.1 R6.2 R7.2 R10.2 R17.1 R18.2 R19.2 R45.1 R46.1 R47.2 R48.2 R49.1 R50.1 R51.1 R55.1 R63.1 R64.1 R67.1 R68.1 R69.1 U1.A26 U1.A29 U1.A38 U1.A50 U1.A86 U1.B55 U1.B79 U1.B115 U1.B127 U1.B152 U1.B155 U3.1 U4.1 U9.10 U9.11 U9.12 U9.16 U9.19 U9.20 U11.12 U11.13 U13.17 U13.21 U14.1 U15.1 U16.1 U17.1 U18.1 U21.26 U21.43 U21.53 U21.62 U21.67 U21.79 U21.88 U21.99 X1.1 X1.4
+5V: C1.1 C72.1 C73.1 C85.1 J6.1 R8.2 U1.A1 U1.A2 U1.A3 U1.A4 U1.A5 U1.A6 U1.A7 U1.A8 U1.A9 U1.A11 U6.1 U6.8 U8.2 U8.3 U12.11 U12.12
+12V: C93.1 C94.1 C121.1 J2.1 J9.2 R11.1 U7.1 U7.14
/USB/VBUS_0: FB1.2 U5.10
/USB/VBUS_1: FB2.2 R15.2 U5.1
/USB/VBUS_MON_P1: R15.1 R16.2 U21.80
/USB/VBUS_MON_US: R13.1 R14.2 U21.4
/USB/VBUS_SW_0: C68.1 C69.1 FB1.1 U8.9
/USB/VBUS_SW_1: C70.1 C71.1 FB2.1 U8.8
GND: C1.2 C2.2 C3.2 C5.2 C6.2 C7.2 C8.2 C9.2 C10.1 C18.2 C19.2 C20.2 C21.2 C22.2 C23.2 C24.2 C25.2 C26.2 C27.2 C28.2 C29.2 C30.2 C31.2 C32.2 C33.2 C34.2 C35.2 C36.2 C37.2 C38.2 C39.2 C40.2 C41.2 C42.2 C43.2 C44.2 C45.2 C46.2 C47.2 C48.2 C49.2 C50.2 C51.2 C52.2 C53.2 C54.2 C68.2 C69.2 C70.2 C71.2 C72.2 C73.2 C78.2 C83.1 C84.1 C85.2 C90.1 C91.1 C92.2 C93.2 C94.2 C95.2 C96.2 C97.2 C98.2 C101.2 C102.1 C103.1 C120.1 D3.3 D4.3 D5.3 D6.1 D7.1 D8.1 J1.A1 J1.A12 J1.B1 J1.B12 J2.2 J2.3 J3.6 J3.10 J3.11 J4.2 J5.1 J6.2 J6.11 J6.12 J7.1 J8.1 J10.1 J11.1 Q1.2 R1.2 R3.2 R14.1 R16.1 R20.1 R24.2 R26.2 R28.2 R29.2 R42.1 R43.1 R44.1 R57.1 R58.2 R59.2 R60.1 R61.2 R62.2 R65.1 R70.1 SW1.1 SW1.2 SW1.3 SW2.2 SW3.2 U1.A13 U1.A14 U1.A20 U1.A23 U1.A32 U1.A35 U1.A44 U1.A47 U1.A56 U1.A59 U1.A68 U1.A71 U1.A80 U1.A83 U1.A96 U1.A99 U1.A108 U1.A109 U1.A120 U1.A125 U1.A134 U1.A135 U1.A138 U1.A139 U1.A142 U1.A143 U1.A166 U1.A167 U1.B1 U1.B2 U1.B11 U1.B14 U1.B15 U1.B18 U1.B19 U1.B22 U1.B23 U1.B26 U1.B27 U1.B30 U1.B31 U1.B34 U1.B35 U1.B38 U1.B39 U1.B42 U1.B43 U1.B46 U1.B49 U1.B58 U1.B61 U1.B70 U1.B73 U1.B82 U1.B85 U1.B98 U1.B105 U1.B118 U1.B121 U1.B134 U1.B137 U1.B146 U1.B149 U1.B158 U1.B161 U3.6 U3.9 U3.12 U3.15 U3.16 U3.19 U3.22 U4.6 U4.9 U4.12 U4.15 U4.16 U4.19 U4.22 U5.4 U5.7 U5.13 U5.16 U6.3 U6.9 U6.12 U7.3 U7.10 U7.11 U7.12 U7.15 U8.1 U8.11 U9.2 U9.3 U9.8 U9.9 U9.15 U9.25 U11.MNT U11.SHLD U12.3 U12.6 U12.13 U12.21 U13.2 U13.11 U13.24 U13.25 U14.6 U14.9 U14.12 U14.15 U15.6 U15.9 U15.12 U15.15 U15.16 U15.19 U15.22 U16.6 U16.9 U16.12 U16.15 U17.6 U17.9 U17.12 U17.15 U18.5 U21.24 U21.101 X1.2